# Altium PCB XTRXr5.PcbDoc (part 1 of 5) (continued)
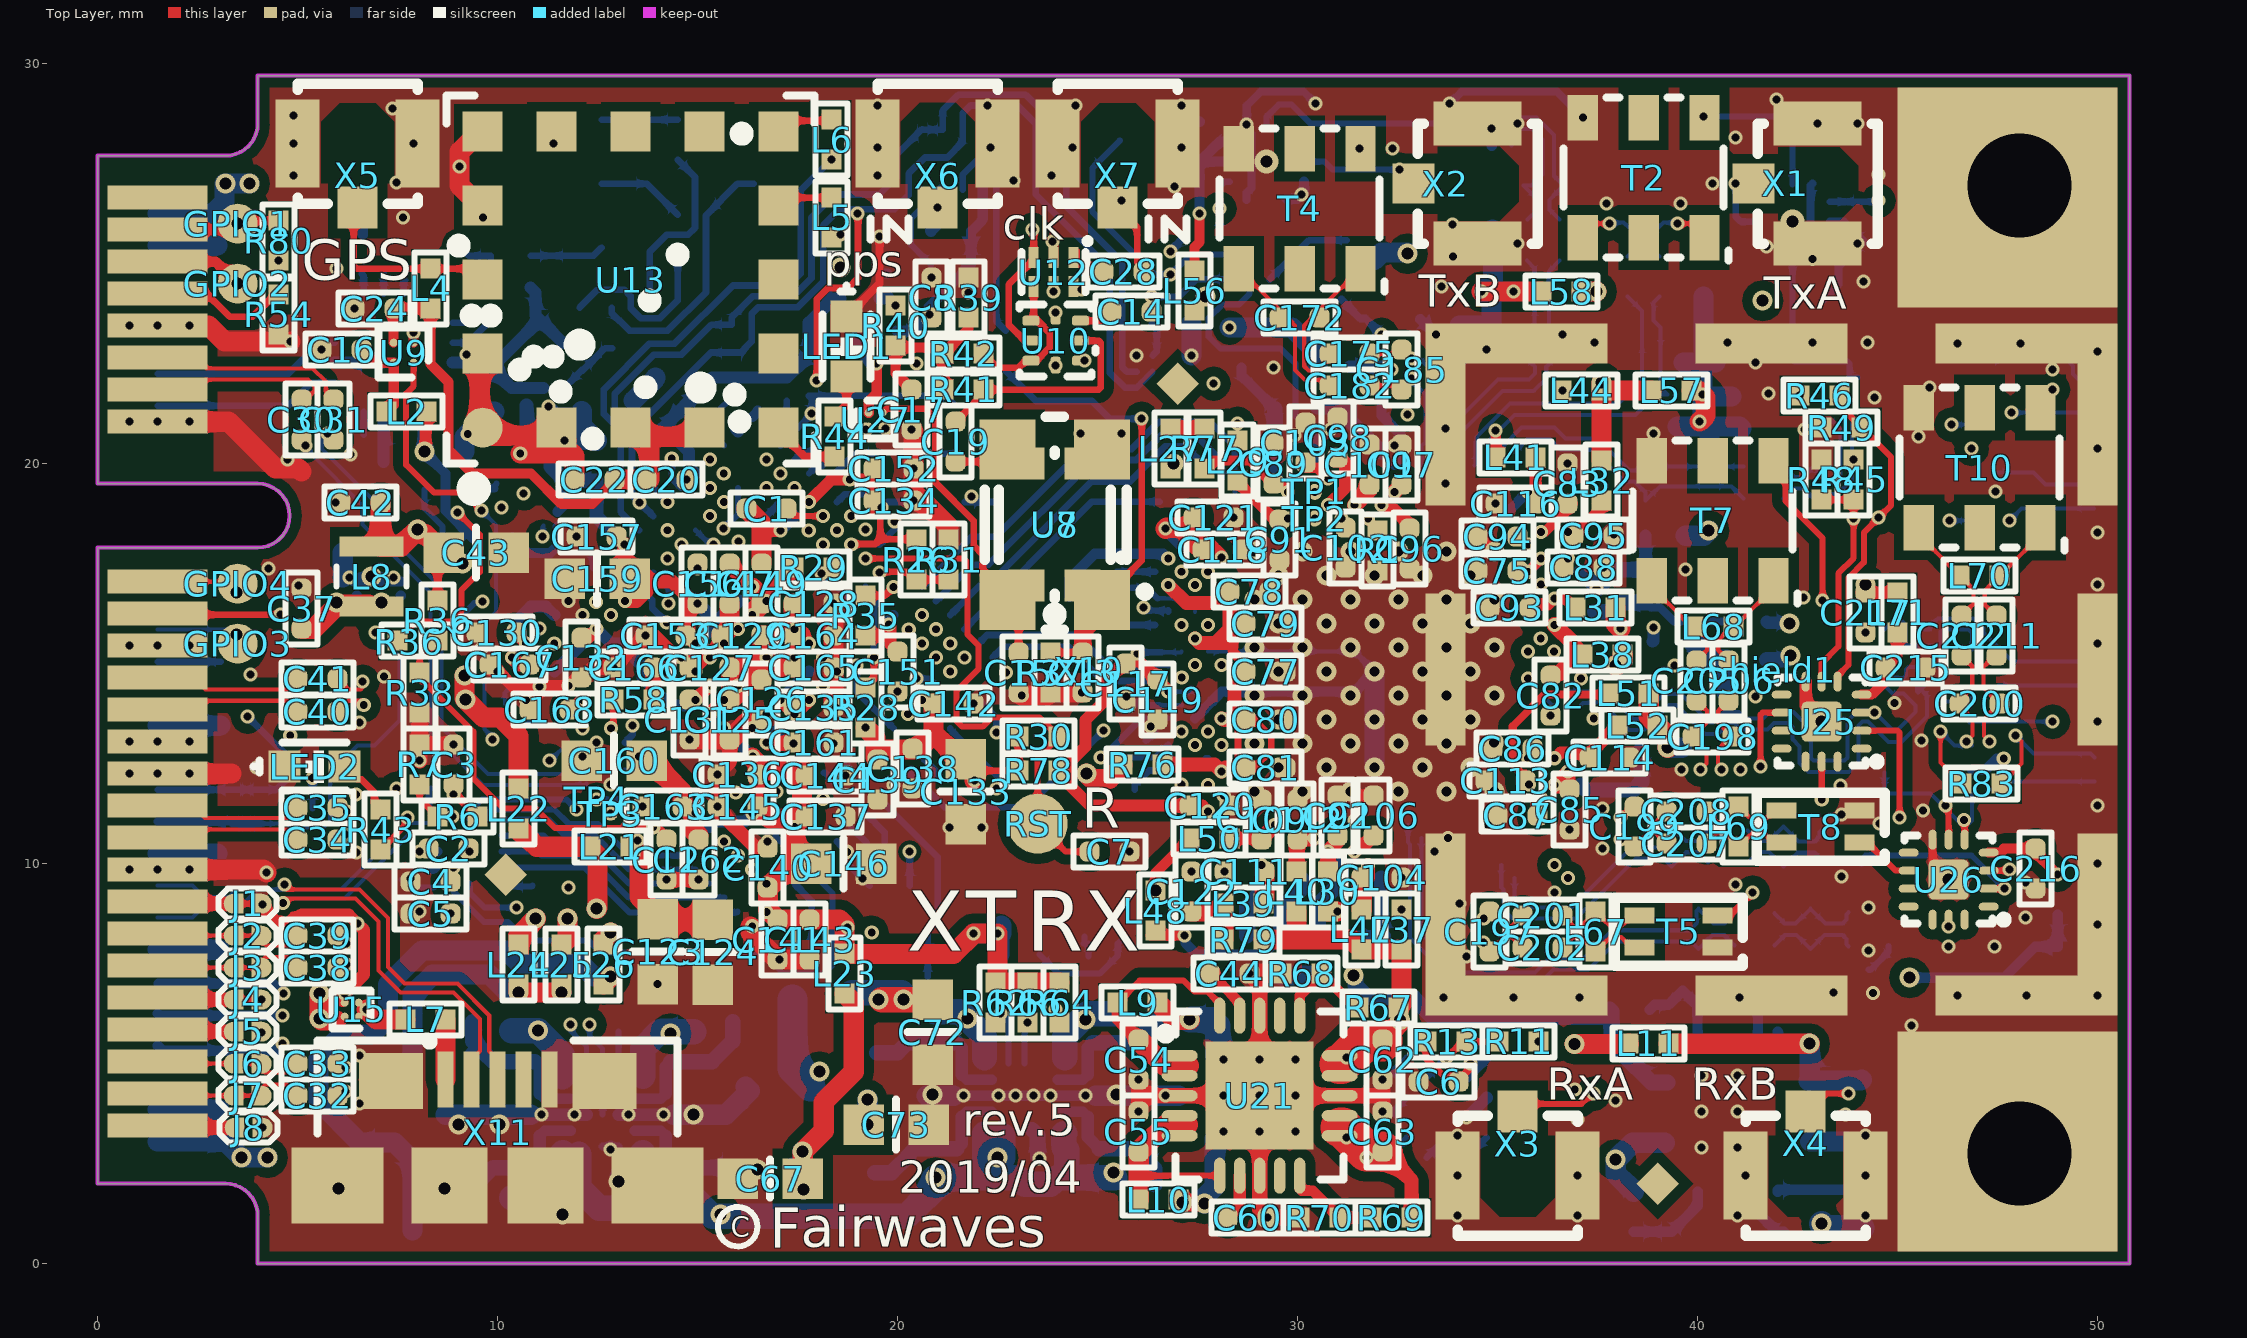
[diagram p0: Top Layer view]
## Classes and differential pairs
net class USB: USB_D_N USB_D_P
net class PCIe: C0_N C0_P NetU1_A10 NetU1_B10 PCI_REF_CLK_N PCI_REF_CLK_P PCI_RX0_N PCI_RX0_P PCI_RX1_N PCI_RX1_P PCI_TX0_N PCI_TX0_P PCI_TX1_N PCI_TX1_P R0_N R0_P R1_N R1_P T0_N T0_P T1_N T1_P
net class LML2: DIQ2_0 DIQ2_1 DIQ2_2 DIQ2_3 DIQ2_4 DIQ2_5 DIQ2_6 DIQ2_7 DIQ2_8 DIQ2_9 DIQ2_10 DIQ2_11 FCLK_2 IQ_SEL_2 MCLK_2 NetR3_1
component class FPGA: C1 C2 C3 C4 C5 C6 C7 C8 C9 C10 C11 C12 C13 C14 C15 C16 C17 C18 C19 C20 C21 C22 C23 C24 C25 C26 C27 C28 C29 C30 C31 C32 C33 C34 C35 C36 C37 C38 C39 C40 C41 C42 C43 C219 C220 ESD1 GPIO1 GPIO2 GPIO3 GPIO4 J1 J2 J3 J4 J5 J6 J7 J8 J9 J10 L1 L2 L3 L4 L5 L6 L7 L8 L74 LED1 LED2 R1 R2 R3 R4 R5 R6 R7 R8 R9 R10 R11 R12 R13 R14 R15 R16 R17 R18 R19 R20 R21 R22 R23 R24 R25 R26 R27 R28 R29 R30 R31 R32 R33 R34 R35 R36 R36` R37 R38 R39 R40 R41 R42 R43 R44 R45 R46 R47 R48 R49 R50 R54 R58 R59 R60 R80 R81 R82 R83 R84 R85 RST TP1 TP2 TP3 TP4 TPA U1 U2 U3 U4 U4' U5 U6 U7 U8 U9 U10 U11 U12 U13 U15 U16 U17 U27 U30 X8 X9 X10 X11 X12 X13 X81
component class PwrAndBias: C44 C45 C46 C47 C48 C49 C50 C51 C52 C53 C54 C55 C56 C57 C58 C59 C60 C61 C62 C63 C64 C65 C66 C67 C68 C69 C70 C71 C72 C73 C74 C75 C76 C77 C78 C79 C80 C81 C82 C83 C84 C85 C86 C87 C88 C89 C90 C91 C92 C93 C94 C95 C96 C97 C98 C99 C100 C101 C102 C103 C104 C105 C106 C107 C108 C109 C110 C111 C112 C113 C114 C115 C116 C117 C118 C119 C120 C121 C122 C123 C124 C125 C126 C127 C128 C129 C130 C131 C132 C133 C134 C135 C136 C137 C138 C139 C140 C141 C142 C143 C144 C145 C146 C147 C148 C149 C150 C151 C152 C153 C154 C155 C156 C157 C158 C159 C160 C161 C162 C163 C164 C165 C166 C167 C168 L9 L10 L11 L12 L13 L14 L15 L16 L17 L18 L19 L20 L21 L22 L23 L24 L25 L26 L27 L28 L29 L30 L31 L32 L33 L34 L35 L36 L37 L38 L39 L40 L41 L42 L43 L44 L45 L46 L47 L48 L49 L50 L51 L52 L53 L54 L73 R61 R62 R63 R64 R65 R66 R67 R68 R69 R70 R71 R72 R73 R74 R75 R76 R77 R78 R79 R86 R87 R88 R89 R90 U19 U20 U21 U22 U28 U29
component class Total: X1 X2 X3 X4 X5 X6 X7
component class LMS7_FE: C169 C170 C171 C172 C173 C174 C175 C176 C177 C178 C179 C180 C181 C182 C183 C184 C185 C186 C187 C188 C189 C190 C191 C192 C193 C194 C195 C196 C197 C198 C199 C200 C201 C202 C203 C204 C205 C206 C207 C208 C209 C210 C211 C212 C213 C214 C215 C216 C217 C218 GND2 GND3 L55 L56 L57 L58 L59 L60 L61 L62 L63 L64 L65 L66 L67 L68 L69 L70 L71 L72 Shield1 T1 T2 T3 T4 T5 T6 T7 T8 T9 T10 U23 U24 U25 U26
net class LML1: DIQ1_0 DIQ1_1 DIQ1_2 DIQ1_3 DIQ1_4 DIQ1_5 DIQ1_6 DIQ1_7 DIQ1_8 DIQ1_9 DIQ1_10 DIQ1_11 FCLK_1 IQ_SEL_1 MCLK_1 NetR2_2
differential pair DAC2Q: +DAC2Q_P -DAC2Q_N
differential pair DAC2I: +DAC2I_P -DAC2I_N
differential pair DAC1Q: +DAC1Q_P -DAC1Q_N
differential pair DAC1I: +DAC1I_P -DAC1I_N
differential pair GPIO11: +GPIO11_P -GPIO11_N
differential pair GPIO9: +GPIO9_P -GPIO9_N
differential pair USB_D: +USB_D_P -USB_D_N
differential pair PCI_TX1: +PCI_TX1_P -PCI_TX1_N
differential pair PCI_TX0: +PCI_TX0_P -PCI_TX0_N
differential pair PCI_RX1: +PCI_RX1_P -PCI_RX1_N
differential pair PCI_RX0: +PCI_RX0_P -PCI_RX0_N
differential pair C0: +C0_P -C0_N
differential pair PCI_REF_CLK: +PCI_REF_CLK_P -PCI_REF_CLK_N
differential pair R0: +R0_P -R0_N
differential pair R1: +R1_P -R1_N
differential pair T0: +T0_P -T0_N
differential pair T1: +T1_P -T1_N
differential pair TA1: +TA1_P -TA1_N
differential pair TA2: +TA2_P -TA2_N
differential pair TB1: +TB1_P -TB1_N
differential pair TB2: +TB2_P -TB2_N
differential pair TXA1: +TXA1_P -TXA1_N
differential pair TXA2: +TXA2_P -TXA2_N
differential pair TXB1: +TXB1_P -TXB1_N
differential pair TXB2: +TXB2_P -TXB2_N
differential pair RAH: +RAH_P -RAH_N
differential pair RAL: +RAL_P -RAL_N
differential pair RAW: +RAW_P -RAW_N
differential pair RBH: +RBH_P -RBH_N
differential pair RBL: +RBL_P -RBL_N
differential pair RBW: +RBW_P -RBW_N
differential pair RXAH: +RXAH_P -RXAH_N
differential pair RXAL: +RXAL_P -RXAL_N
differential pair RXAW: +RXAW_P -RXAW_N
differential pair RXBH: +RXBH_P -RXBH_N
differential pair RXBL: +RXBL_P -RXBL_N
differential pair RXBW: +RXBW_P -RXBW_N
differential pair TDD_GPIO3: +TDD_GPIO3_P -TDD_GPIO3_N
differential pair ADC1I: +ADC1I_P -ADC1I_N
differential pair ADC1Q: +ADC1Q_P -ADC1Q_N
differential pair ADC2I: +ADC2I_P -ADC2I_N
differential pair ADC2Q: +ADC2Q_P -ADC2Q_N

## Components (designator, comment, footprint, x,y, rotation, side; value= is the part's Value field where it differs from the comment)
C1 "1uF" C0402-cirq 16.725,18.875 r0 top
C2 "1uF" C0402-CIRQ 8.775,10.375 r180 top
C3 "1uF" C0402-CIRQ 8.9,12.475 r270 top
C4 "1uF" C0402-CIRQ 8.325,9.55 r0 top
C5 "1uF" C0402-CIRQ 8.325,8.75 r180 top
C6 "0.1uF" C0402-CIRQ 33.525,4.55 r0 top
C7 "0.1uF" C0402-CIRQ 25.3,10.3 r180 top
C8 "1uF" C0402-CIRQ 20.85,24.15 r270 top
C9 "0.1uF" C0402-cirq 21.334,25.821 r0 bottom
C10 "0.1uF" C0402-CIRQ 26.85,23.5 r0 bottom
C11 "1uF" C0402-CIRQ 19.975,22.5 r180 bottom
C12 "1000pF" C0402-CIRQ 14.225,10.1 r90 top
C13 "0.1uF" C0402-CIRQ 24.625,14.775 r90 top
C14 "1000pF" C0402-CIRQ 25.85,23.8 r0 top
C15 "1uF" C0402-CIRQ 23.025,14.775 r90 top
C16 "1uF" C0402-CIRQ 6.1,22.85 r0 top
C17 "0.1uF" C0402-CIRQ 20.35,21.35 r270 top
C18 "0.1uF" C0402-CIRQ 23.95,23 r90 bottom
C19 "1000pF" C0402-CIRQ 21.45,20.55 r90 top
C20 "4.7uF" C0402-CIRQ 14.225,19.6 r0 top
C21 "0.1uF" C0402-CIRQ 9.925,21.8 r90 bottom
C22 "100pF" C0402-CIRQ 12.425,19.6 r0 top
C23 "10pF" C0402-CIRQ 18.975,27.725 r180 bottom
C24 "1000pF" C0402-CIRQ 6.925,23.875 r0 top
C25 "10pF" C0402-CIRQ 19.075,25.725 r180 bottom
C26 "1000pF" C0402-CIRQ 23.95,25.075 r90 bottom
C27 "0.1uF" C0402-CIRQ 8.675,20.275 r180 bottom
C28 "1000pF" C0402-CIRQ 25.65,24.8 r0 top
C29 "1uF" C0402-CIRQ 6.825,20.275 r180 bottom
C30 "0.01uF" C0402-CIRQ 5.1,21.1 r270 top
C31 "0.01uF" C0402-CIRQ 5.9,21.1 r270 top
C32 "0.22uF" C0402-CIRQ 5.5,4.2 r0 top
C33 "0.22uF" C0402-CIRQ 5.5,5 r0 top
C34 "0.22uF" C0402-CIRQ 5.5,10.6 r0 top
C35 "0.22uF" C0402-CIRQ 5.5,11.4 r0 top
C36 "0.1uF" C0402-CIRQ 6.125,18.275 r270 bottom
C37 "1uF" C0402-CIRQ 5.1,16.375 r90 top
C38 "0.22uF" C0402-CIRQ 5.5,7.4 r180 top
C39 "0.22uF" C0402-CIRQ 5.5,8.2 r180 top
C40 "0.22uF" C0402-CIRQ 5.5,13.8 r180 top
C41 "0.22uF" C0402-CIRQ 5.5,14.625 r180 top
C42 "0.1uF" C0402-CIRQ 6.575,19.025 r0 top
C43 "47uF" "C0603 TALL" 9.462,17.775 r0 top
C44 "0.1uF" C0402-CIRQ 28.3,7.25 r180 top
C45 "0.1uF" C0402-CIRQ 42.2,6.825 r180 bottom
C46 "10uF" C0603-Phillips 14.9,5.05 r90 bottom
C47 "10uF" C0603-Phillips 14.9,2.4 r270 bottom
C48 "10uF" C0603-Phillips 10.35,5.075 r90 bottom
C49 "10uF" C0603-Phillips 10.35,2.4 r270 bottom
C50 "10uF" C0603-Phillips 25.425,5.5 r90 bottom
C51 "10uF" C0603-Phillips 25.425,2.9 r270 bottom
C52 "10uF" C0603-Phillips 20.925,5.55 r90 bottom
C53 "10uF" C0603-Phillips 20.925,2.9 r270 bottom
C54 "4.7uF" C0402-CIRQ 26.025,5.1 r90 top
C55 "4.7uF" C0402-CIRQ 26.025,3.3 r270 top
C56 "4.7uF" C0402-CIRQ 44.1,5.1 r270 bottom
C57 "4.7uF" C0402-CIRQ 44.1,3.2 r270 bottom
C58 "0.1uF" C0402-CIRQ 12.525,2.05 r180 bottom
C59 "0.1uF" C0402-CIRQ 23,2.65 r180 bottom
C60 "0.1uF" C0402-CIRQ 28.75,1.15 r180 top
C61 "0.1uF" C0402-CIRQ 41.65,0.8 r0 bottom
C62 "4.7uF" C0402-CIRQ 32.125,5.1 r90 top
C63 "4.7uF" C0402-CIRQ 32.125,3.3 r270 top
C64 "4.7uF" C0402-CIRQ 37.95,4.925 r90 bottom
C65 "4.7uF" C0402-CIRQ 37.95,3.1 r270 bottom
C66 "47uF" "C0603 TALL" 17.013,4.425 r180 bottom
C67 "47uF" "C0603 TALL" 16.812,2.125 r0 top
C68 "47uF" "C0603 TALL" 8.237,4.425 r0 bottom
C69 "47uF" "C0603 TALL" 8.237,3.025 r180 bottom
C70 "47uF" "C0603 TALL" 27.538,4.85 r0 bottom
C71 "47uF" "C0603 TALL" 27.538,3.55 r0 bottom
C72 "47uF" "C0603 TALL" 20.875,5.788 r90 top
C73 "47uF" "C0603 TALL" 19.962,3.475 r180 top
C74 "1uF" C0402-CIRQ 41.225,14.275 r180 bottom
C75 "1uF" C0402-CIRQ 35,17.325 r0 top
C76 "1uF" C0402-CIRQ 39.2,17.35 r180 bottom
C77 "4.7uF" C0402-CIRQ 29.2,14.8 r180 top
C78 "1000pF" C0402-CIRQ 28.8,16.8 r180 top
C79 "1000pF" C0402-CIRQ 29.2,16 r180 top
C80 "1000pF" C0402-CIRQ 29.2,13.6 r180 top
C81 "1000pF" C0402-CIRQ 29.2,12.4 r180 top
C82 "1uF" C0402-CIRQ 36.325,14.2 r90 top
C83 "1uF" C0402-CIRQ 36.75,19.5 r270 top
C84 "1uF" C0402-CIRQ 39.2,16.525 r180 bottom
C85 "1uF" C0402-CIRQ 36.8,11.35 r90 top
C86 "1uF" C0402-CIRQ 35.375,12.875 r0 top
C87 "1uF" C0402-CIRQ 35.5,11.2 r0 top
C88 "1uF" C0402-CIRQ 37.15,17.4 r180 top
C89 "1uF" C0402-CIRQ 29.4,20 r270 top
C90 "1uF" C0402-CIRQ 29.4,21.9 r270 bottom
C91 "1uF" C0402-CIRQ 29.55,18.1 r90 top
C92 "1uF" C0402-CIRQ 31,11.2 r270 top
C93 "1uF" C0402-CIRQ 35.3,16.4 r0 top
C94 "1uF" C0402-CIRQ 35,18.175 r0 top
C95 "1uF" C0402-CIRQ 37.4,18.2 r180 top
C96 "1uF" C0402-CIRQ 32.8,17.875 r270 top
C97 "1uF" C0402-CIRQ 32.6,19.975 r90 top
C98 "1uF" C0402-CIRQ 31,20.65 r90 top
C99 "1uF" C0402-CIRQ 32.1,21.925 r90 bottom
C100 "1uF" C0402-CIRQ 31.3,21.925 r90 bottom
C101 "1uF" C0402-CIRQ 31.8,19.975 r90 top
C102 "1uF" C0402-CIRQ 31.2,17.9 r270 top
C103 "1uF" C0402-CIRQ 30.2,20.525 r90 top
C104 "1uF" C0402-CIRQ 32.1,9.65 r0 top
C105 "1uF" C0402-CIRQ 29.6,7.7 r270 bottom
C106 "1uF" C0402-CIRQ 31.9,11.2 r90 top
C107 "1uF" C0402-CIRQ 30.5,7.7 r270 bottom
C108 "1uF" C0402-CIRQ 32.2,7.7 r270 bottom
C109 "1uF" C0402-CIRQ 29.1,11.1 r90 top
C110 "1uF" C0402-CIRQ 28.225,8.2 r180 bottom
C111 "1uF" C0402-CIRQ 28.675,9.8 r180 top
C112 "1uF" C0402-CIRQ 30,11.1 r90 top
C113 "1uF" C0402-CIRQ 35.2,12.075 r180 top
C114 "1uF" C0402-CIRQ 37.8,12.65 r0 top
C115 "1uF" C0402-CIRQ 39.1,12.05 r0 bottom
C116 "1uF" C0402-CIRQ 35.45,19 r180 top
C117 "4.7uF" C0402-CIRQ 25.7,14.5 r270 top
C118 "1000pF" C0402-CIRQ 28.125,17.85 r180 top
C119 "1000pF" C0402-CIRQ 26.5,14.1 r90 top
C120 "1000pF" C0402-CIRQ 27.8,11.45 r180 top
C121 "1000pF" C0402-CIRQ 27.9,18.65 r180 top
C122 "1uF" C0402-CIRQ 27.35,9.3 r90 top
C123 "47uF" "C0603 TALL" 14,7.8 r90 top
C124 "47uF" "C0603 TALL" 15.375,7.788 r90 top
C125 "4.7uF" C0402-CIRQ 15.8,13.6 r270 top
C126 "4.7uF" C0402-CIRQ 16.6,14.1 r270 top
C127 "0.47uF" C0402-CIRQ 15.3,14.9 r180 top
C128 "0.47uF" C0402-CIRQ 17.9,16.5 r0 top
C129 "0.47uF" C0402-CIRQ 16.1,15.7 r180 top
C130 "4.7uF" C0402-CIRQ 9.975,15.775 r0 top
C131 "0.1uF" C0402-CIRQ 14.8,13.6 r270 top
C132 "0.1uF" C0402-CIRQ 12.1,15.15 r270 top
C133 "47uF" "C0603 TALL" 21.7,11.8 r90 top
C134 "4.7uF" C0402-CIRQ 19.9,19.075 r0 top
C135 "4.7uF" C0402-CIRQ 17.9,13.9 r0 top
C136 "0.47uF" C0402-CIRQ 16,12.225 r180 top
C137 "0.47uF" C0402-CIRQ 18.2,11.175 r0 top
C138 "0.47uF" C0402-CIRQ 20.375,12.375 r270 top
C139 "0.47uF" C0402-CIRQ 19.5,12.1 r270 top
C140 "4.7uF" C0402-CIRQ 16.75,9.9 r90 top
C141 "4.7uF" C0402-CIRQ 17,8.1 r270 top
C142 "0.47uF" C0402-CIRQ 21.4,14 r0 top
C143 "0.47uF" C0402-CIRQ 17.8,8.1 r270 top
C144 "0.47uF" C0402-CIRQ 18.2,12.2 r0 top
C145 "0.47uF" C0402-CIRQ 16,11.425 r180 top
C146 "47uF" "C0603 TALL" 18.65,10 r0 top
C147 "4.7uF" C0402-CIRQ 15.8,17 r270 top
C148 "4.7uF" C0402-CIRQ 13.746,21.229 r135 bottom
C149 "0.47uF" C0402-CIRQ 16.6,17 r90 top
C150 "0.47uF" C0402-CIRQ 14.304,21.796 r135 bottom
C151 "0.47uF" C0402-CIRQ 20,14.8 r270 top
C152 "0.47uF" C0402-CIRQ 19.9,19.875 r0 top
C153 "4.7uF" C0402-CIRQ 14.2,15.7 r180 top
C154 "4.7uF" C0402-CIRQ 10.8,20.3 r270 bottom
C155 "0.47uF" C0402-CIRQ 12.475,20.075 r90 bottom
C156 "0.47uF" C0402-CIRQ 15,17 r90 top
C157 "0.47uF" C0402-CIRQ 12.475,18.175 r180 top
C158 "0.47uF" C0402-CIRQ 11.675,20.075 r90 bottom
C159 "47uF" "C0603 TALL" 12.487,17.125 r180 top
C160 "47uF" "C0603 TALL" 12.912,12.575 r180 top
C161 "4.7uF" C0402-CIRQ 17.9,13.025 r0 top
C162 "0.47uF" C0402-CIRQ 15.025,10.1 r270 top
C163 "0.47uF" C0402-CIRQ 14.125,11.425 r180 top
C164 "4.7uF" C0402-CIRQ 17.9,15.7 r0 top
C165 "0.47uF" C0402-CIRQ 17.9,14.9 r0 top
C166 "4.7uF" C0402-CIRQ 13.4,14.9 r180 top
C167 "0.1uF" C0402-CIRQ 10.3,14.975 r180 top
C168 "0.1uF" C0402-CIRQ 11.3,13.85 r180 top
C169 "0.1uF" C0402-CIRQ 44.15,25.05 r270 bottom
C170 "0.1uF" C0402-CIRQ 27.425,27.925 r90 bottom
C171 "2pF" C0402-CIRQ 38.65,26.025 r180 bottom
C172 "2pF" C0402-CIRQ 30.05,23.65 r0 top
C173 "NP" C0402-CIRQ 43,19.525 r270 bottom
C174 "NP" C0402-CIRQ 36.15,26.95 r180 bottom
C175 "470pF" C0402-CIRQ 31.3,22.75 r180 top
C176 "10pF" C0402-CIRQ 41.65,19.925 r180 bottom
C177 "10pF" C0402-CIRQ 41.65,19.125 r180 bottom
C178 "470pF" C0402-CIRQ 39.05,24.675 r90 bottom
C179 "470pF" C0402-CIRQ 38.25,24.675 r90 bottom
C180 "10pF" C0402-CIRQ 35.75,25.6 r270 bottom
C181 "10pF" C0402-CIRQ 36.55,25.6 r270 bottom
C182 "470pF" C0402-CIRQ 31.3,21.95 r180 top
C183 "0.1uF" C0402-CIRQ 40.15,24.675 r90 bottom
C184 "0.1uF" C0402-CIRQ 34.375,25.975 r180 bottom
C185 "NP" C0402-CIRQ 32.6,22.35 r90 top
C186 "NP" C0402-CIRQ 38.7,19.575 r270 bottom
C187 "NP" C0402-CIRQ 36.075,22.65 r180 bottom
C188 "NP" C0402-CIRQ 38.75,21.725 r180 bottom
C189 "100pF" C0402-CIRQ 40.95,22.525 r0 bottom
C190 "100pF" C0402-CIRQ 33.55,23.6 r180 bottom
C191 "0.1uF" C0402-CIRQ 41.35,21.675 r0 bottom
C192 "0.1uF" C0402-CIRQ 34.1,24.425 r180 bottom
C193 "10pF" C0402-CIRQ 41.6,20.875 r180 bottom
C194 "10pF" C0402-CIRQ 34.383,25.175 r0 bottom
C195 "NP" C0402-CIRQ 40.023,8.373 r90 bottom
C196 "NP" C0402-CIRQ 39.35,10.425 r90 bottom
C197 "NP" C0402-CIRQ 34.8,8.3 r90 top
C198 "NP" C0402-CIRQ 40.375,13.175 r180 top
C199 "NP" C0402-CIRQ 38.425,10.925 r270 top
C200 "NP" C0402-CIRQ 47.05,14 r180 top
C201 "470pF" C0402-CIRQ 36.125,8.7 r180 top
C202 "470pF" C0402-CIRQ 36.125,7.9 r180 top
C203 "10pF" C0402-CIRQ 41.423,8.76 r0 bottom
C204 "10pF" C0402-CIRQ 41.423,7.96 r0 bottom
C205 "100pF" C0402-CIRQ 39.975,14.575 r90 top
C206 "100pF" C0402-CIRQ 40.775,14.575 r90 top
C207 "470pF" C0402-CIRQ 39.725,10.5 r180 top
C208 "470pF" C0402-CIRQ 39.725,11.3 r180 top
C209 "10pF" C0402-CIRQ 40.75,10.825 r0 bottom
C210 "10pF" C0402-CIRQ 40.754,10.029 r0 bottom
C211 "100pF" C0402-CIRQ 47.475,15.7 r90 top
C212 "100pF" C0402-CIRQ 46.6,15.7 r90 top
C213 "NP" C0402-CIRQ 42.823,8.373 r90 bottom
C214 "NP" C0402-CIRQ 42.15,10.425 r90 bottom
C215 "0.1uF" C0402-CIRQ 45.2,14.9 r180 top
C216 "0.1uF" C0402-CIRQ 48.45,9.875 r90 top
C217 "100pF" C0402-CIRQ 44.2,16.275 r270 top
C218 "100pF" C0402-CIRQ 49,7.425 r270 bottom
C219 "1uF" C0402-cirq 22.9,27.65 r90 bottom
C220 "0.1uF" C0402-cirq 5.375,10.875 r90 bottom
ESD1 "SESD0402S-005-054" SESD0402-Phillips 26.1,26.6 r0 bottom
GND2 "" "KP D1.5mm"#1 38.6,27.625 r0 bottom
GND3 "" "KP D1.5mm"#1 46.275,8.6 r270 bottom
GPIO1 "" KP-C_d1mm#1 3.5,26 r90 top
GPIO2 "" KP-C_d1mm#1 3.5,24.5 r90 top
GPIO3 "" KP-C_d1mm#1 3.5,15.5 r90 top
GPIO4 "" KP-C_d1mm#1 3.5,17 r90 top
J1 "Value" "JUMPER SOLDER" 3.75,9 r0 top
J2 "Value" "JUMPER SOLDER" 3.75,8.2 r0 top
J3 "Value" "JUMPER SOLDER" 3.75,7.4 r0 top
J4 "Value" "JUMPER SOLDER" 3.75,6.6 r0 top
J5 "Value" "JUMPER SOLDER" 3.75,5.8 r0 top
J6 "Value" "JUMPER SOLDER" 3.75,5 r0 top
J7 "Value" "JUMPER SOLDER" 3.75,4.2 r0 top
J8 "Value" "JUMPER SOLDER" 3.775,3.4 r0 top
J9 "Value" "Jumper solder" 3.725,11.85 r180 bottom
J10 "Value" "Jumper solder" 3.725,11 r180 bottom
L1 "220" BEAD0402-PHILLIPS 19.475,23.325 r180 bottom
L2 "220" BEAD0402-PHILLIPS 7.725,21.3 r180 top
L3 "220" BEAD0402-PHILLIPS 19.075,24.125 r0 bottom
L4 "47nH" COIL0402-PHILLIPS 8.325,24.375 r90 top
L5 "47nH" COIL0402-PHILLIPS 18.35,26.15 r90 top
L6 "47nH" COIL0402-PHILLIPS 18.35,28.1 r90 top
L7 "220" BEAD0402-PHILLIPS 8.2,6.1 r180 top
L8 "0.47uH" L-VLS201610HBX 6.85,17.175 r90 top
L9 "220" BEAD0402-PHILLIPS 26,6.525 r180 top
L10 "220" BEAD0402-PHILLIPS 26.525,1.6 r180 top
L11 "220" BEAD0402-PHILLIPS 38.775,5.5 r0 top
L12 "220" BEAD0402-PHILLIPS 44.1,1.4 r90 bottom
L13 "0.47uH" L-VLS201610HBX 16.625,6.05 r0 bottom
L14 "0.47uH" L-VLS201610HBX 16.625,2.4 r0 bottom
L15 "0.47uH" L-VLS201610HBX 8.625,6.05 r180 bottom
L16 "0.47uH" L-VLS201610HBX 8.625,1.4 r180 bottom
L17 "0.47uH" L-VLS201610HBX 27.2,6.475 r0 bottom
L18 "0.47uH" L-VLS201610HBX 27.175,1.975 r0 bottom
L19 "0.47uH" L-VLS201610HBX 19.475,6.025 r90 bottom
L20 "0.47uH" L-VLS201610HBX 19.425,3.025 r90 bottom
L21 "220" BEAD0402-PHILLIPS 12.825,10.425 r0 top
L22 "220" BEAD0402-PHILLIPS 10.525,11.375 r90 top
L23 "220" BEAD0402-PHILLIPS 18.675,7.25 r90 top
L24 "220" BEAD0402-PHILLIPS 10.525,7.475 r90 top
L25 "220" BEAD0402-PHILLIPS 11.6,7.475 r90 top
L26 "220" BEAD0402-PHILLIPS 12.65,7.475 r90 top
L27 "220" BEAD0402-PHILLIPS 26.825,20.375 r90 top
L28 "220" BEAD0402-PHILLIPS 28.6,22.9 r270 bottom
L29 "220" BEAD0402-PHILLIPS 28.5,20.075 r270 top
L30 "220" BEAD0402-PHILLIPS 30.76,9.3 r90 top
L31 "220" BEAD0402-PHILLIPS 37.45,16.4 r180 top
L32 "220" BEAD0402-PHILLIPS 37.6,19.575 r270 top
L33 "220" BEAD0402-PHILLIPS 38.925,14.725 r0 bottom
L34 "220" BEAD0402-PHILLIPS 39.2,18.2 r180 bottom
L35 "220" BEAD0402-PHILLIPS 39.375,15.55 r180 bottom
L36 "220" BEAD0402-PHILLIPS 41.225,16.05 r180 bottom
L37 "220" BEAD0402-PHILLIPS 32.6,8.35 r90 top
L38 "220" BEAD0402-PHILLIPS 37.625,15.225 r180 top
L39 "220" BEAD0402-PHILLIPS 28.65,9 r180 top
L40 "220" BEAD0402-PHILLIPS 29.974,9.3 r270 top
L41 "220" BEAD0402-PHILLIPS 35.45,20.15 r180 top
L42 "220" BEAD0402-PHILLIPS 32.75,24.9 r90 bottom
L43 "220" BEAD0402-PHILLIPS 31.9,24.575 r90 bottom
L44 "220" BEAD0402-PHILLIPS 37.1,21.825 r0 top
L45 "220" BEAD0402-PHILLIPS 30.5,21.925 r90 bottom
L46 "220" BEAD0402-PHILLIPS 31.6,23.225 r0 bottom
L47 "220" BEAD0402-PHILLIPS 31.6,8.35 r270 top
L48 "220" BEAD0402-PHILLIPS 26.45,8.825 r90 top
L49 "220" BEAD0402-PHILLIPS 31.4,7.7 r270 bottom
L50 "220" BEAD0402-PHILLIPS 27.8,10.625 r180 top
L51 "220" BEAD0402-PHILLIPS 38.275,14.25 r0 top
L52 "220" BEAD0402-PHILLIPS 38.5,13.45 r0 top
L53 "220" BEAD0402-PHILLIPS 39.1,12.9 r0 bottom
L54 "220" BEAD0402-PHILLIPS 9.875,18.15 r0 bottom
L55 "220" BEAD0402-PHILLIPS 42.375,24.075 r180 bottom
L56 "220" BEAD0402-PHILLIPS 27.425,24.325 r270 top
L57 "220" BEAD0402-PHILLIPS 39.35,21.825 r0 top
L58 "220" BEAD0402-PHILLIPS 36.6,24.3 r180 top
L59 "100nH" COIL0402-Phillips 39.15,22.525 r180 bottom
L60 "100nH" COIL0402-Phillips 33.425,22 r180 bottom
L61 "100nH" COIL0402-Phillips 39.65,23.325 r180 bottom
L62 "100nH" COIL0402-Phillips 33.425,22.8 r180 bottom
L63 "10nH" COIL0402-PHILLIPS 40.3,19.925 r270 bottom
L64 "10nH" COIL0402-PHILLIPS 35.9,24.3 r0 bottom
L65 "10nH" COIL0402-PHILLIPS 39.5,20.425 r270 bottom
L66 "10nH" COIL0402-PHILLIPS 35.35,23.45 r0 bottom
L67 "NP" COIL0402-PHILLIPS 37.45,8.3 r270 top
L68 "10nH" COIL0402-PHILLIPS 40.4,15.925 r0 top
L69 "NP" COIL0402-PHILLIPS 41.025,10.925 r90 top
L70 "10nH" COIL0402-PHILLIPS 47.05,17.2 r180 top
L71 "220" BEAD0402-PHILLIPS 45,16.275 r90 top
L72 "220" BEAD0402-PHILLIPS 49,9.225 r270 bottom
L73 "220" BEAD0402-Phillips 30.6,24.1 r0 bottom
L74 "220" BEAD0402-Phillips 9.125,16.725 r270 bottom
LED1 "LTST-C190KGKT" LED-0603GR 18.725,22.925 r270 top
LED2 "LTST-C190KGKT" LED-0603GR 5.425,12.425 r0 top
R1 "10k 1%" R0402-Phillips 32,17.825 r270 top
R2 "15" R0402-Phillips 19.8,9.45 r0 bottom
R3 "15" R0402-Phillips 20.025,20.25 r180 bottom
R4 "100" R0402-Phillips 17.775,22.2 r270 bottom
R5 "100" R0402-Phillips 21.396,21.996 r90 bottom
R6 "0" R0402-Phillips 9,11.175 r180 top
R7 "20k" R0402-Phillips 8.05,12.475 r270 top
R8 "10k" R0402-Phillips 7.825,11.875 r0 bottom
R9 "8k06" R0402-Phillips 7.6,9.1 r270 bottom
R10 "15" R0402-Phillips 18.375,7.85 r180 bottom
R11 "15" R0402-Phillips 35.525,5.55 r0 top
R12 "4k7" R0402-Phillips 21.2,8.25 r0 bottom
R13 "4k7" R0402-Phillips 33.725,5.55 r180 top
R14 "4k7" R0402-Phillips 23.05,7.725 r180 bottom
R15 "47" R0402-Phillips 28.8,24.6 r180 bottom
R16 "15" R0402-Phillips 11.375,9.45 r0 bottom
R17 "15" R0402-Phillips 25.175,8.175 r0 bottom
R18 "15" R0402-Phillips 23.075,6.925 r0 bottom
R19 "4k7" R0402-Phillips 21.175,19.043 r180 bottom
R20 "15" R0402-Phillips 14.5,25.725 r270 bottom
R21 "15" R0402-Phillips 14.5,28.1 r270 bottom
R22 "15" R0402-Phillips 12.85,23.4 r270 bottom
R23 "15" R0402-Phillips 10.325,25.2 r180 bottom
R24 "10k" R0402-Phillips 12.1,21.85 r90 bottom
R25 "4k7" R0402-Phillips 21.334,24.971 r180 bottom
R26 "0" R0402-Phillips 20.475,17.6 r270 top
R27 "10k" R0402-Phillips 10.325,24.4 r0 bottom
R28 "330" R0402-Phillips 19.2,13.9 r90 top
R29 "4k7" R0402-Phillips 17.9,17.4 r0 top
R30 "4k7" R0402-Phillips 23.525,13.175 r0 top
R31 "4k7" R0402-Phillips 21.275,17.6 r90 top
R32 "4k7" R0402-Phillips 22.7,22.825 r270 bottom
R33 "10k" R0402-Phillips 11.55,23.6 r180 bottom
R34 "3k3" R0402-Phillips 19.075,24.925 r180 bottom
R35 "330" R0402-Phillips 19.2,16.2 r90 top
R36 "3k" R0402-Phillips 8.5,16.075 r90 top
R36` "3k" R0402-Phillips 8,15.575 r180 top
R37 "47k" R0402-Phillips 23.825,14.775 r270 top
R38 "1k" R0402-Phillips 8.05,14.275 r270 top
R39 "1k" R0402-Phillips 21.775,24.15 r270 top
R40 "1k" R0402-Phillips 19.95,23.45 r90 top
R41 "100k" R0402-Phillips 21.65,21.85 r0 top
R42 "100k" R0402-Phillips 21.65,22.75 r180 top
R43 "330" R0402-Phillips 7.075,10.85 r90 top
R44 "330" R0402-Phillips 18.425,20.675 r270 top
R45 "1k" R0402-Phillips 43.9,19.6 r270 top
R46 "1k" R0402-Phillips 43.05,21.7 r0 top
R47 "1k" R0402-Phillips 27.55,25.7 r0 bottom
R48 "4k7" R0402-Phillips 43.1,19.6 r270 top
R49 "4k7" R0402-Phillips 43.6,20.9 r0 top
R50 "4k7" R0402-Phillips 44.15,27.05 r270 bottom
R54 "330" R0402-Phillips 4.525,23.725 r90 top
R58 "100" R0402-Phillips 13.4,14.1 r0 top
R59 "47k" R0402-Phillips 8.675,19.35 r0 bottom
R60 "100k" R0402-Phillips 9.975,20 r270 bottom
R61 "3k3" R0402-Phillips 16.35,23.475 r180 bottom
R62 "3k3" R0402-Phillips 22.45,6.525 r270 top
R63 "47k" R0402-Phillips 13.45,5.8 r180 bottom
R64 "3k3" R0402-Phillips 24.05,6.525 r270 top
R65 "3k3" R0402-Phillips 16.35,22.675 r180 bottom
R66 "3k3" R0402-Phillips 23.25,6.525 r270 top
R67 "1k6" R0402-Phillips 32.025,6.4 r0 top
R68 "1k2" R0402-Phillips 30.1,7.25 r180 top
R69 "3k3" R0402-Phillips 32.35,1.15 r0 top
R70 "1k2" R0402-Phillips 30.55,1.15 r180 top
R71 "1k2" R0402-Phillips 38.3,6.35 r180 bottom
R72 "1k6" R0402-Phillips 40.125,6.825 r0 bottom
R73 "680" R0402-Phillips 38.4,1.3 r90 bottom
R74 "1k2" R0402-Phillips 39.85,0.8 r0 bottom
R75 "10" R0402-Phillips 41.225,15.1 r180 bottom
R76 "0" R0402-Phillips 26.125,12.475 r0 top
R77 "0" R0402-Phillips 27.675,20.375 r270 top
R78 "0" R0402-Phillips 23.525,12.325 r180 top
R79 "10" R0402-Phillips 28.65,8.1 r0 top
R80 "47" R0402-Phillips 4.525,25.575 r90 top
R81 "100" R0402-Phillips 45.175,15.85 r0 bottom
R82 "100" R0402-Phillips 45.175,14.45 r180 bottom
R83 "100" R0402-Phillips 47.1,12 r0 top
R84 "100" R0402-Phillips 45.175,12.275 r180 bottom
R85 "4k7" R0402-Phillips 22.475,19.55 r270 bottom
RST "" "KP D1.5mm"#2 23.5,11 r90 top
Shield1 "Screening shield frame BMI-S-202-F" BMI-S-202-F 33.2,6.2 r0 top locked
T1 "3600BL14M050" "Balun 1.6x0.8x0.6mm" 43.575,21.65 r90 bottom
T2 "JA4220-AL" JA4220-AL 38.65,27.15 r180 top
T3 "3600BL14M050" "Balun 1.6x0.8x0.6mm" 34.85,28.375 r180 bottom
T4 "JA4220-AL" JA4220-AL 30.05,26.375 r180 top
T5 "ATB2012E-50011M-T01" "BALUN 1.2X2X1MM" 39.525,8.3 r180 top
T6 "3600BL14M050" "Balun 1.6x0.8x0.6mm" 44.273,8.36 r0 bottom
T7 "JA4220-AL" JA4220-AL 40.375,18.575 r180 top
T8 "ATB2012E-50011M-T01" "Balun 1.2x2x1mm" 43.075,10.925 r180 top
T9 "3600BL14M050" "Balun 1.6x0.8x0.6mm" 43.6,10.413 r0 bottom
T10 "JA4220-AL" JA4220-AL 47.05,19.9 r180 top
TP1 "" KP-C_d1mm#2 30.427,19.296 r0 top
TP2 "" KP-C_d1mm#2 30.427,18.63 r0 top
TP3 "" KP-C_d1mm#3 12.825,11.25 r270 top
TP4 "" KP-C_d1mm#3 12.475,11.6 r90 top
TPA "" "KP D1.5mm"#2 25.551,28.075 r90 bottom
U1 "XC7A50T-2CPG236I" CPG236 16.364,14.8 r315 bottom locked
U2 "LMS7002M" AQFN260(11.5X11.5MM) 31.925,14.8 r180 bottom locked
U3 "USB3333E-GL" "BGA WLCSP25" 9.3,10.3 r0 bottom
U4 "MT25QL256ABA8E12" "BGA T-BGA25 (6X8/1.0)" 33.225,3.65 r90 bottom
U4' "MT25QL256ABA8E14" "BGA T-BGA24 (6X8/1.0)" 33.225,3.65 r90 bottom
U5 "PDAC80501MDQFT" "PWSON8 no PAD" 21.375,27.6 r90 bottom
U6 "TMP108AIYFF" "BGA WCSP6" 26.175,22.3 r180 bottom
U7 "TCD4029-26.0M" TCXO5X3.2 23.925,18.475 r90 top locked
U8 "nce4031035EG005008-30.72M" TCXO3.2X2.5 23.925,18.475 r90 top locked
U9 "LP5900TLX-3.0/NOPB" "BGA DSBGA-4" 7.65,22.775 r90 top
U10 "NC7NP34L8X" "Micro pak 8 (1.6x1.6/0.5)" 23.95,23.075 r180 top
U11 "NCN4555MNR2G" QFN16(3x3/0/5mm)-Case485AE 7.4,22.775 r180 bottom
U12 "74LVC1G3157FZ4" X2-DFN1410-6(1.4x1/0.5mm) 23.9,24.787 r270 top
U13 "M10578-A2" GPS_M10578-Ax 13.325,24.6 r90 top locked
U15 "MAX40200ANS+" "BGA WLP4 (0.7x0.7/0.35)" 6.35,6.35 r180 top
U16 "MAX40200ANS+" "BGA WLP4 (0.7x0.7/0.35)" 6.3,16.875 r270 bottom
U17 "MAX40200ANS+" "BGA WLP4 (0.7x0.7/0.35)" 7.4,16.875 r270 bottom
U19 "LP8758A1E0YFFR" "BGA WLCSP35" 12.625,3.725 r90 bottom
U20 "LP8758A1E0YFFR" "BGA WLCSP35" 23.175,4.2 r90 bottom
U21 "TPS7A8801RTJT" QFN-20(4X4/0.5)TI 29.05,4.2 r0 top locked
U22 "TPS7A8801RTJT" QFN-20(4X4/0.5)TI 41,3.8 r180 bottom
U23 "SKY13330-397LF" QFN12(2X2/0.5) 42.375,26.05 r0 bottom
U24 "SKY13330-397LF" QFN12(2X2/0.5) 29.225,27.55 r180 bottom
U25 "SKY13414-485LF" QFN14(2x2/0.4-0.45) 43.1,13.55 r180 top
U26 "SKY13414-485LF" QFN14(2x2/0.4-0.45) 46.275,9.6 r180 top
U27 "MAX40200ANS+" "BGA WLP4 (0.7x0.7/0.35)" 19.45,21.1 r0 top
U28 "MAX40200ANS+" "BGA WLP4 (0.7x0.7/0.35)" 10.975,21.7 r270 bottom
U29 "MAX40200ANS+" "BGA WLP4 (0.7x0.7/0.35)" 11.317,18.625 r90 bottom
U30 "FSA2257L10X" MICROPAK-10(2.1X1.6P0.5) 5.375,12.95 r180 bottom
X1 "" U_FL 43,27 r0 top value=0734120110
X2 "" U_FL 34.5,27 r0 top locked value=0734120110
X3 "" U_FL 35.5,2.2 r270 top value=0734120110
X4 "" U_FL 42.7,2.2 r270 top value=0734120110
X5 "" U_FL 6.5,28 r90 top value=0734120110
X6 "" U_FL 21,28 r90 top locked value=0734120110
X7 "" U_FL 25.5,28 r90 top locked value=0734120110
X8 "502598-1593" "Molex 502598-1593" 48.435,13.55 r270 bottom locked value=RxADC
X9 "JTAG" "MOLEX 78864-1001-MATING" 14.45,26.95 r270 bottom
X10 "Mini PCI Express Card Edge connector" "PCIe MiniCard" 0,18.7 r270 top locked
X11 "USB-microB" USB-microB 10,0.5 r0 top locked value=47346-0001
X12 "503480-0800" "MOLEX 503480-0800" 8.38,25.8 r0 bottom value=GPIO
X13 "502598-1593" "Molex 502598-1593" 48.423,20.375 r270 bottom locked value=TxDAC

## Footprints (in the part's own frame and the unit in brackets; to place one, negate y for a bottom-side part, rotate by r counter-clockwise, add the part's x,y. Pads: shape width x height; smd on the part's side, far side on the other; paste and mask are expansions set on the pad)
AQFN260(11.5X11.5MM) [mm] "LMS7002M Package"
  rrect50% 0.99x0.99 smd paste-5 mask+0.05: 0(-3,-3) 0(-3,3) 0(3,-3) 0(3,3)
  rect 6x6.99 smd paste-10 mask+0.05: 0(0,0)
  rect 6.99x6 smd paste-10 mask+0.05: 0(0,0)
  round 0.35 smd paste+0 mask+0.04: A5(-4.163,5.495) A7(-3.497,5.495) A9(-2.83,5.495) A13(-1.499,5.495) A17(-0.166,5.495) A21(1.165,5.495) AA1(-5.495,-1.166) AA3(-4.828,-1.166) AA5(-4.163,-1.166) AA29(3.829,-1.166) AA31(4.496,-1.166) AA33(5.161,-1.166) AB2(-5.162,-1.499) AB4(-4.496,-1.499) AB6(-3.83,-1.499) AB30(4.162,-1.499) AB32(4.828,-1.499) AB34(5.494,-1.499) AC3(-4.828,-1.832) AC5(-4.163,-1.832) AC29(3.829,-1.832) AC31(4.496,-1.832) AC33(5.161,-1.832) AD2(-5.162,-2.165) AD4(-4.496,-2.165) AD6(-3.83,-2.165) AD30(4.162,-2.165) AD32(4.828,-2.165) AE1(-5.495,-2.498) AE3(-4.828,-2.498) AE5(-4.163,-2.498) AE29(3.829,-2.498) AE31(4.496,-2.498) AE33(5.161,-2.498) AF2(-5.162,-2.831) AF4(-4.496,-2.831) AF6(-3.83,-2.831) AF30(4.162,-2.831) AF32(4.828,-2.831) AF34(5.494,-2.831) AG3(-4.828,-3.163) AG5(-4.163,-3.163) AG29(3.829,-3.163) AG31(4.496,-3.163) AG33(5.161,-3.163) AH2(-5.162,-3.497) AH4(-4.496,-3.497) AH30(4.162,-3.497) AH32(4.828,-3.497) AJ1(-5.495,-3.829) AJ3(-4.828,-3.829) AJ5(-4.163,-3.829) AJ7(-3.497,-3.829) AJ9(-2.83,-3.829) AJ11(-2.164,-3.829) AJ13(-1.499,-3.829) AJ15(-0.833,-3.829) AJ19(0.5,-3.829) AJ21(1.165,-3.829) AJ25(2.498,-3.829) AJ27(3.163,-3.829) AJ29(3.829,-3.829) AJ31(4.496,-3.829) AJ33(5.162,-3.829) AK2(-5.162,-4.162) AK4(-4.496,-4.162) AK6(-3.83,-4.162) AK8(-3.164,-4.162) AK10(-2.498,-4.162) AK12(-1.832,-4.162) AK14(-1.166,-4.162) AK20(0.833,-4.162) AK22(1.498,-4.162) AK26(2.83,-4.162) AK28(3.496,-4.162) AK30(4.162,-4.162) AK32(4.828,-4.162) AK34(5.495,-4.162) AL3(-4.828,-4.496) AL5(-4.163,-4.496) AL7(-3.497,-4.496) AL9(-2.83,-4.496) AL11(-2.164,-4.496) AL13(-1.499,-4.496) AL19(0.5,-4.496) AL21(1.165,-4.496) AL23(1.832,-4.496) AL27(3.163,-4.496) AL29(3.829,-4.496) AL31(4.496,-4.496) AL33(5.162,-4.496) AM4(-4.496,-4.828) AM6(-3.83,-4.828) AM8(-3.164,-4.828) AM10(-2.498,-4.828) AM12(-1.832,-4.828) AM18(0.166,-4.828) AM20(0.833,-4.828) AM22(1.498,-4.828) AM24(2.164,-4.828) AM26(2.83,-4.828) AM28(3.496,-4.828) AM30(4.162,-4.828) AM34(5.495,-4.828) AN3(-4.828,-5.161) AN5(-4.163,-5.161) AN7(-3.497,-5.161) AN9(-2.83,-5.161) AN11(-2.164,-5.161) AN17(-0.166,-5.162) AN23(1.832,-5.161) AN25(2.498,-5.161) AN27(3.163,-5.161) AN29(3.829,-5.161) AN31(4.496,-5.161) AP6(-3.83,-5.495) AP10(-2.498,-5.495) AP26(2.83,-5.495) AP30(4.162,-5.495) AP32(4.828,-5.495) B2(-5.162,5.162) B4(-4.496,5.162) B8(-3.164,5.162) B10(-2.498,5.162) B12(-1.832,5.162) B14(-1.166,5.162) B16(-0.5,5.162) B18(0.166,5.162) B20(0.833,5.162) B22(1.498,5.162) C1(-5.495,4.828) C3(-4.828,4.828) C5(-4.163,4.828) C7(-3.497,4.828) C9(-2.83,4.828) C11(-2.164,4.828) C13(-1.499,4.828) C15(-0.833,4.828) C17(-0.166,4.828) C19(0.5,4.828) C21(1.165,4.828) C23(1.832,4.828) C25(2.498,4.828) C27(3.163,4.828) C29(3.829,4.828) C31(4.496,4.828) D2(-5.162,4.496) D4(-4.496,4.496) D6(-3.83,4.496) D8(-3.164,4.496) D10(-2.498,4.496) D12(-1.832,4.496) D14(-1.166,4.496) D16(-0.5,4.496) D18(0.166,4.496) D20(0.833,4.496) D22(1.498,4.496) D24(2.164,4.496) D26(2.83,4.496) D28(3.496,4.496) D30(4.162,4.496) D32(4.828,4.496) E3(-4.828,4.163) E5(-4.163,4.163) E9(-2.83,4.163) E11(-2.164,4.163) E13(-1.499,4.163) E15(-0.833,4.163) E17(-0.166,4.163) E19(0.5,4.163) E21(1.165,4.163) E23(1.832,4.163) E25(2.498,4.163) E27(3.163,4.163) E29(3.829,4.163) E31(4.496,4.163) F2(-5.162,3.829) F4(-4.496,3.829) F6(-3.83,3.829) F8(-3.164,3.829) F10(-2.498,3.829) F12(-1.832,3.829) F14(-1.166,3.829) F16(-0.5,3.829) F18(0.166,3.829) F20(0.833,3.829) F22(1.498,3.829) F24(2.164,3.829) F26(2.83,3.829) F28(3.496,3.829) F30(4.162,3.829) F32(4.828,3.829) G1(-5.495,3.497) G3(-4.828,3.497) G5(-4.163,3.497) G29(3.829,3.497) G31(4.496,3.497) H2(-5.162,3.164) H6(-3.83,3.164) H30(4.162,3.164) H32(4.828,3.164) J1(-5.495,2.83) J3(-4.828,2.83) J5(-4.163,2.83) J31(4.496,2.83) J33(5.161,2.83) K2(-5.162,2.498) K4(-4.496,2.498) K6(-3.83,2.498) K30(4.162,2.498) K32(4.828,2.498) K34(5.494,2.498) L3(-4.828,2.165) L5(-4.163,2.165) L31(4.496,2.165) L33(5.161,2.165) M2(-5.162,1.832) M4(-4.496,1.832) M6(-3.83,1.832) M30(4.162,1.832) M32(4.828,1.832) N1(-5.495,1.499) N3(-4.828,1.499) N31(4.496,1.499) N33(5.161,1.499) P2(-5.162,1.166) P4(-4.496,1.166) P30(4.162,1.166) P32(4.828,1.166) P34(5.494,1.166) R3(-4.828,0.833) R5(-4.163,0.833) R29(3.829,0.833) R31(4.496,0.833) R33(5.161,0.833) T4(-4.496,0.5) T6(-3.83,0.5) T30(4.162,0.5) T32(4.828,0.5) U1(-5.495,0.167) U3(-4.828,0.167) U5(-4.163,0.167) U29(3.829,0.167) U31(4.496,0.167) U33(5.161,0.167) V2(-5.162,-0.166) V4(-4.496,-0.166) V6(-3.83,-0.166) V30(4.162,-0.166) V32(4.828,-0.166) V34(5.494,-0.166) W3(-4.828,-0.5) W29(3.829,-0.5) W31(4.496,-0.5) W33(5.161,-0.5) Y2(-5.162,-0.833) Y4(-4.496,-0.833) Y6(-3.83,-0.833) Y30(4.162,-0.833) Y32(4.828,-0.833)
  silkscreen extent -6.1,-5.85 5.85,6.1, body extent -5.75,-5.75 5.75,5.75, height 1
"BALUN 1.2X2X1MM" [mm] "Balun 50 unbal to 50 bal 02-2 GHz"
  rect 0.75x0.4 smd: 1(-0.975,0.4) 2(-0.975,-0.4) 3(0.975,-0.4) 4(0.975,0.4)
  silkscreen extent -1.6,-0.85 1.6,0.85, body extent -1.02,-0.6 1.02,0.6, height 1
"Balun 1.2x2x1mm" [mm] "Balun 50 unbal to 50 bal 02-2 GHz"
  rect 0.75x0.4 smd: 1(-0.975,0.4) 2(-0.975,-0.4) 3(0.975,-0.4) 4(0.975,0.4)
  silkscreen extent -1.6,-0.85 1.6,0.85, body extent -1.02,-0.6 1.02,0.6, height 1
"Balun 1.6x0.8x0.6mm" [mm] "Balun unbal to bal, Johanson"
  rrect50% 0.25x0.55 smd mask+0.04: 1(0.5,0.425) 2(0,0.425) 3(-0.5,0.425) 4(-0.5,-0.425) 5(0,-0.425) 6(0.5,-0.425)
  silkscreen extent -0.92,-0.53 0.92,0.53, body extent -0.8,-0.41 0.8,0.41, height 0.6
BEAD0402-PHILLIPS [mm]
  rect 0.5x0.5 smd: 1(-0.5,0) 2(0.5,0)
  silkscreen extent -0.9,-0.4 0.9,0.4, body extent -0.5,-0.3 0.5,0.3, height 0.5
BEAD0402-Phillips [mm]
  rect 0.5x0.5 smd: 1(-0.5,0) 2(0.5,0)
  silkscreen extent -0.9,-0.4 0.9,0.4, body extent -0.5,-0.3 0.5,0.3, height 0.5
"BGA DSBGA-4" [mm] "TI's BGA 4 pin, Pitch 0.5, Ball 0.32mm, Height w/coating"
  round 0.2 smd paste+0 mask+0.05: A1(-0.25,-0.25) A2(-0.25,0.25) B1(0.25,-0.25) B2(0.25,0.25)
  silkscreen extent -0.63,-0.63 0.63,0.63, body extent -0.53,-0.53 0.53,0.53, height 0.61
"BGA T-BGA24 (6X8/1.0)" [mm] "Micron's 12 pack 6x8mm, 4x6=24 pin, Pitch 1, Ball 0.3mm"
  round 0.4 smd paste+0 mask+0.05: A1(-1.5,2.5) A2(-0.5,2.5) A3(0.5,2.5) A4(1.5,2.5) B1(-1.5,1.5) B2(-0.5,1.5) B3(0.5,1.5) B4(1.5,1.5) C1(-1.5,0.5) C2(-0.5,0.5) C3(0.5,0.5) C4(1.5,0.5) D1(-1.5,-0.5) D2(-0.5,-0.5) D3(0.5,-0.5) D4(1.5,-0.5) E1(-1.5,-1.5) E2(-0.5,-1.5) E3(0.5,-1.5) E4(1.5,-1.5) F1(-1.5,-2.5) F2(-0.5,-2.5) F3(0.5,-2.5) F4(1.5,-2.5)
  silkscreen extent -3.1,-4.1 3.1,4.4, body extent -3,-4 3,4, height 1.4
"BGA T-BGA25 (6X8/1.0)" [mm] "Micron's E12 pack 6x8mm T-BGA 25 pin, Pitch 1, Ball 0.3mm"
  round 0.4 smd paste+0 mask+0.05: A2(-1,2) A3(0,2) A4(1,2) A5(2,2) B1(-2,1) B2(-1,1) B3(0,1) B4(1,1) B5(2,1) C1(-2,0) C2(-1,0) C3(0,0) C4(1,0) C5(2,0) D1(-2,-1) D2(-1,-1) D3(0,-1) D4(1,-1) D5(2,-1) E1(-2,-2) E2(-1,-2) E3(0,-2) E4(1,-2) E5(2,-2)
  silkscreen extent -3.1,-4.1 3.1,4.4, body extent -3,-4 3,4, height 1.4
"BGA WCSP6" [mm] "TI BGA 6 pin, Pitch 0.4, Ball 0.25mm"
  round 0.2 smd paste+0 mask+0.05: A1(-0.2,0.4) A2(0.2,0.4) B1(-0.2,0) B2(0.2,0) C1(-0.2,-0.4) C2(0.2,-0.4)
  silkscreen extent -0.48,-0.67 0.48,0.67, body extent -0.4,-0.6 0.4,0.6, height 0.67
"BGA WLCSP25" [mm] "USB333x BGA 25 pin, Pitch 0.4, Ball 0.25mm"
  round 0.2 smd paste+0 mask+0.05: A1(-0.8,0.8) A2(-0.4,0.8) A3(0,0.8) A4(0.4,0.8) A5(0.8,0.8) B1(-0.8,0.4) B2(-0.4,0.4) B3(0,0.4) B4(0.4,0.4) B5(0.8,0.4) C1(-0.8,0) C2(-0.4,0) C3(0,0) C4(0.4,0) C5(0.8,0) D1(-0.8,-0.4) D2(-0.4,-0.4) D3(0,-0.4) D4(0.4,-0.4) D5(0.8,-0.4) E1(-0.8,-0.8) E2(-0.4,-0.8) E3(0,-0.8) E4(0.4,-0.8) E5(0.8,-0.8)
  silkscreen extent -1.12,-1.12 1.12,1.4, body extent -1,-1 1,1, height 0.62
"BGA WLCSP35" [mm] "TI's LP8758 BGA 35 pin, Pitch 0.4, Ball 0.25mm"
  round 0.2 smd paste+0 mask+0.05: A1(-0.8,1.2) A2(-0.4,1.2) A3(0,1.2) A4(0.4,1.2) A5(0.8,1.2) B1(-0.8,0.8) B2(-0.4,0.8) B3(0,0.8) B4(0.4,0.8) B5(0.8,0.8) C1(-0.8,0.4) C2(-0.4,0.4) C3(0,0.4) C4(0.4,0.4) C5(0.8,0.4) D1(-0.8,0) D2(-0.4,0) D3(0,0) D4(0.4,0) D5(0.8,0) E1(-0.8,-0.4) E2(-0.4,-0.4) E3(0,-0.4) E4(0.4,-0.4) E5(0.8,-0.4) F1(-0.8,-0.8) F2(-0.4,-0.8) F3(0,-0.8) F4(0.4,-0.8) F5(0.8,-0.8) G1(-0.8,-1.2) G2(-0.4,-1.2) G3(0,-1.2) G4(0.4,-1.2) G5(0.8,-1.2)
  silkscreen extent -1.6,-1.55 1.17,1.55, body extent -1.07,-1.45 1.07,1.45, height 0.63
"BGA WLP4 (0.7x0.7/0.35)" [mm] "ADI BGA 4 pin, Pitch 0.4, Ball 0.25mm"
  round 0.2 smd paste+0 mask+0.05: A1(-0.175,0.175) A2(0.175,0.175) B1(-0.175,-0.175) B2(0.175,-0.175)
  silkscreen extent -0.48,-0.48 0.48,0.48, body extent -0.37,-0.37 0.38,0.38, height 0.51
BMI-S-202-F [mm] "Screening Shield Frame 16.5x16.5x3.6mm"
  rect 1x4.55 smd paste-2: 0(0.5,2.275) 0(0.5,15.025) 0(16.8,2.275) 0(16.8,15.025)
  rect 1x3.8 smd: 0(0.5,8.65) 0(16.8,8.65)
  rect 4.55x1 smd: 0(2.275,0.5) 0(2.275,16.8) 0(15.025,0.5) 0(15.025,16.8)
  rect 3.8x1 smd: 0(8.65,0.5) 0(8.65,16.8)
  body extent 0.4,0.4 16.9,16.9, height 3.6
C0402-cirq [mm]
  rrect70% 0.5x0.5 smd: 1(-0.5,0) 2(0.5,0)
  silkscreen extent -0.9,-0.4 0.9,0.4, body extent -0.5,-0.3 0.5,0.3, height 0.5
C0402-CIRQ [mm]
  rrect70% 0.5x0.5 smd: 1(-0.5,0) 2(0.5,0)
  silkscreen extent -0.9,-0.4 0.9,0.4, body extent -0.5,-0.3 0.5,0.3, height 0.5
"C0603 TALL" [mil] "Tall high volume cap"
  rect 40x40 smd: 1(-32.01,0) 2(32.01,0)
  silkscreen extent 0,-25 0,25, body extent -31,-16 32,16, height 39
C0603-Phillips [mm]
  rect 0.8x0.8 smd: 1(-0.75,0) 2(0.75,0)
  silkscreen extent 0,-0.38 0,0.38, body extent -0.8,-0.4 0.8,0.4, height 0.3
COIL0402-PHILLIPS [mm] "Blue cap 0402 coil"
  rect 0.5x0.5 smd: 1(-0.5,0) 2(0.5,0)
  silkscreen extent -0.9,-0.4 0.9,0.4, body extent -0.5,-0.3 0.5,0.3, height 0.5
COIL0402-Phillips [mm] "Blue cap 0402 coil"
  rect 0.5x0.5 smd: 1(-0.5,0) 2(0.5,0)
  silkscreen extent -0.9,-0.4 0.9,0.4, body extent -0.5,-0.3 0.5,0.3, height 0.5